# KiCad board hackpad_final.kicad_pcb
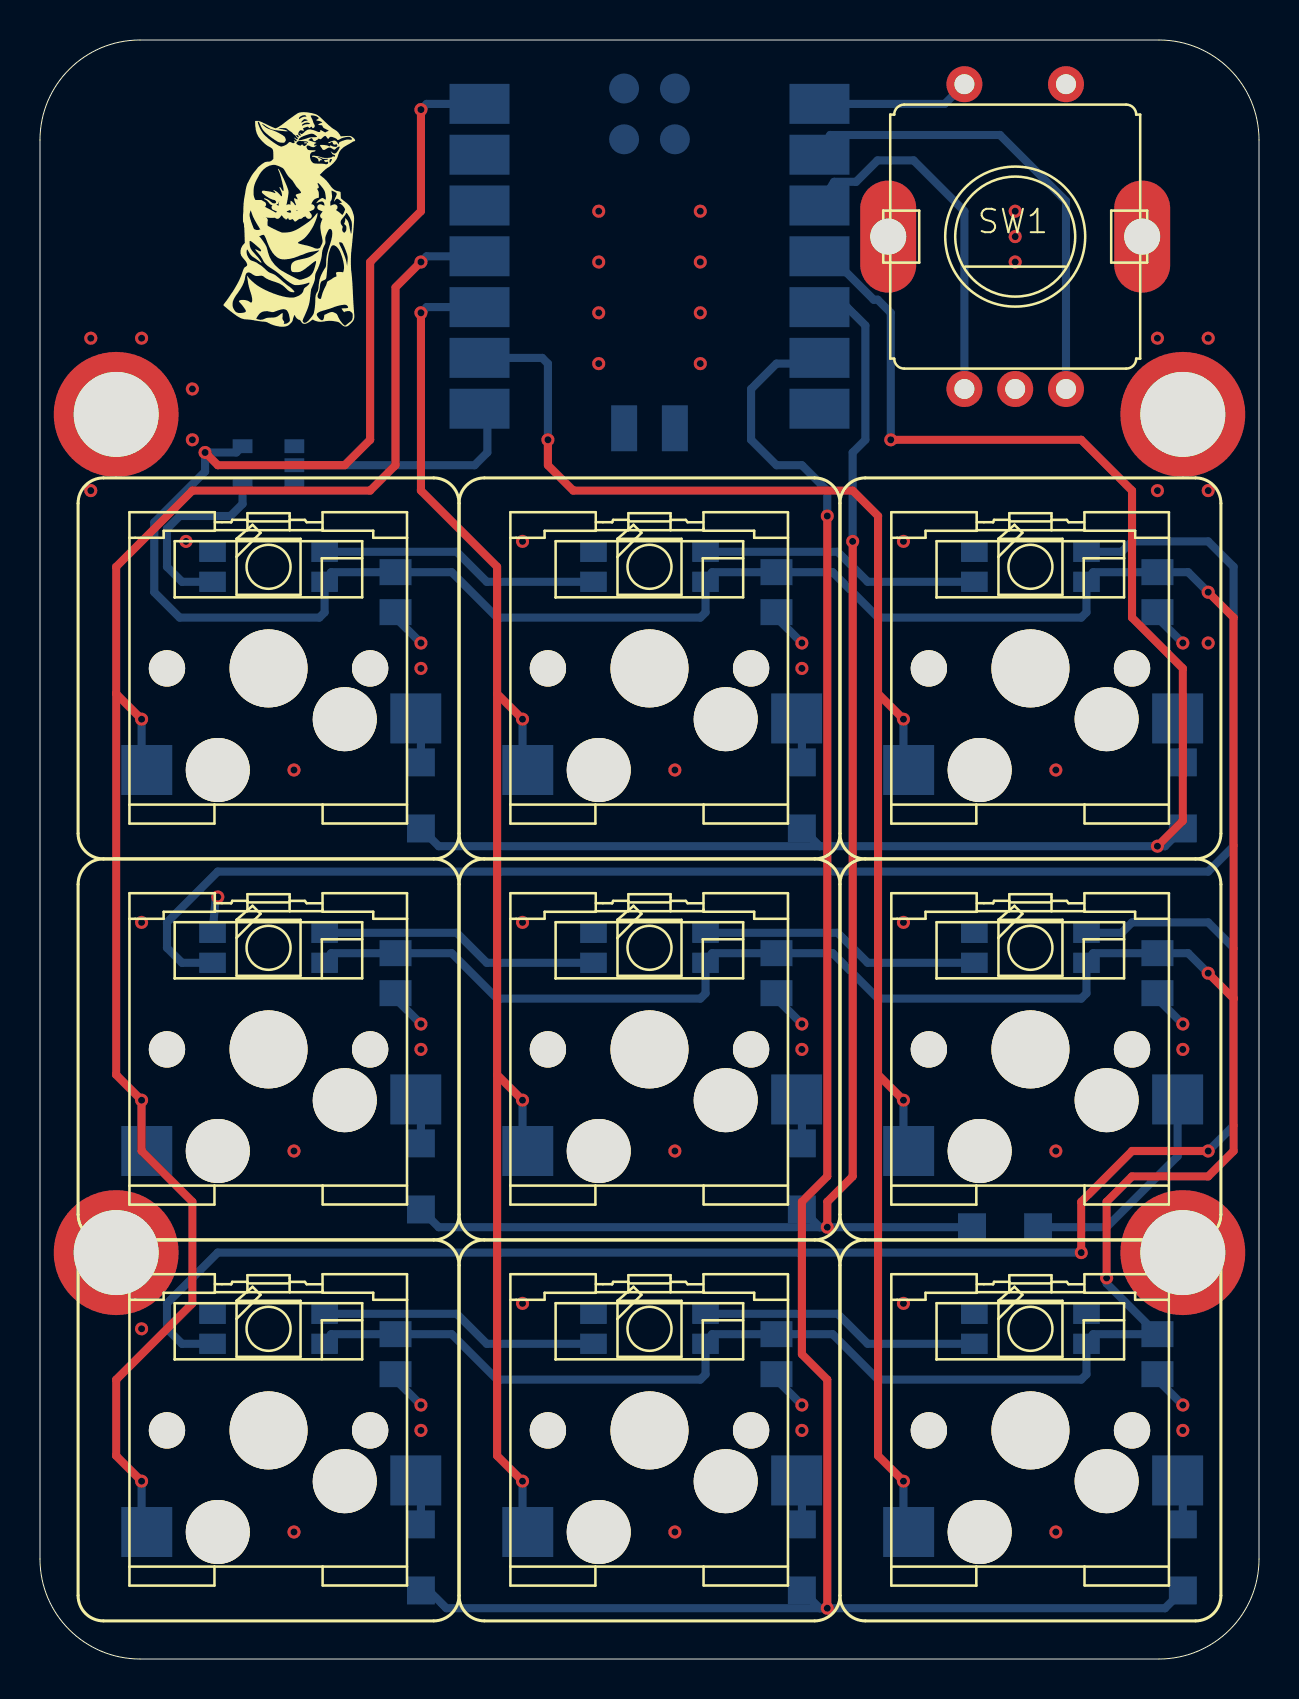
[diagram p0: board, top side]
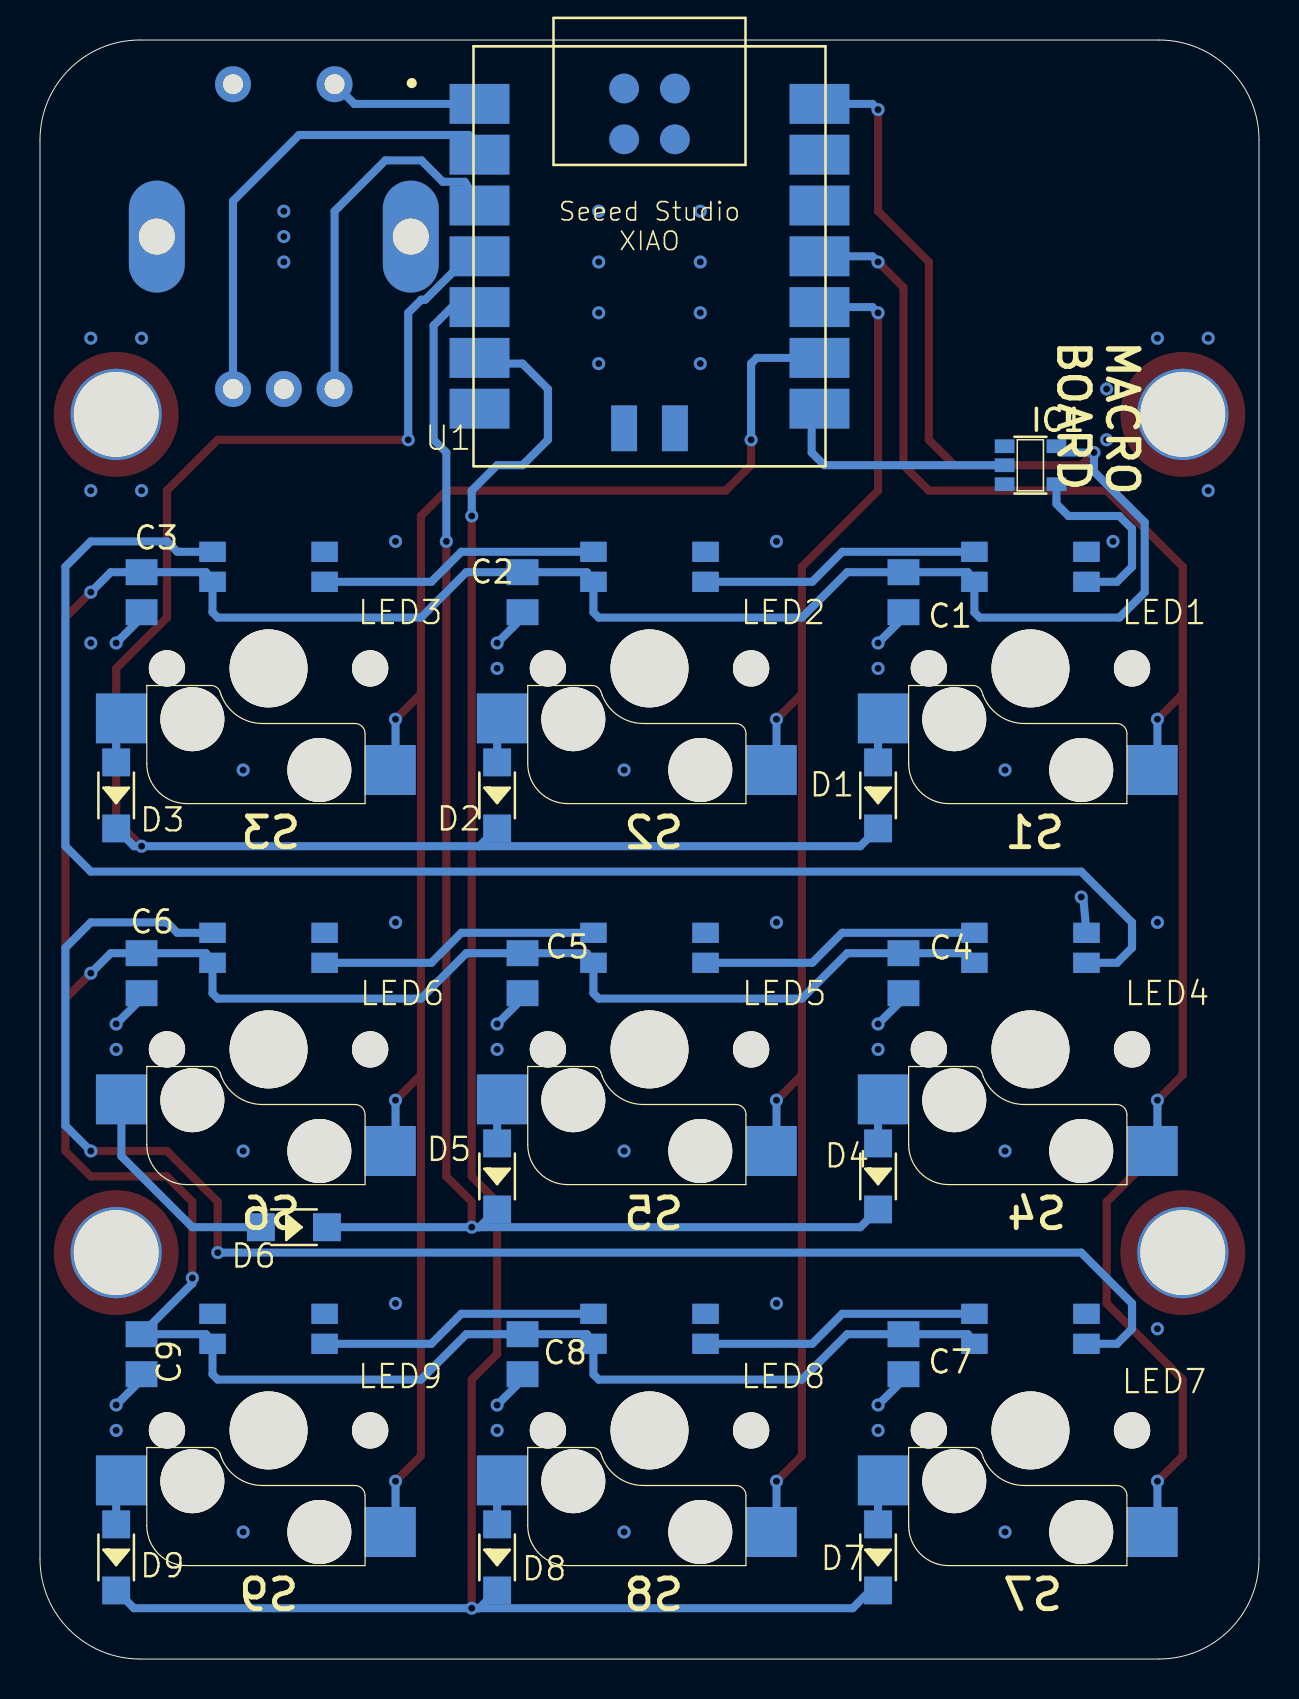
[diagram p1: board, bottom side, seen from below]

Outline 60.96 x 80.95 mm; copper layers: Top, Bottom. Coordinates in mm from the lower left corner of the outline.
Outline path: 0,75.95 0,5 arc(1.46,1.46) 5,0 55.96,0 arc(59.5,1.46) 60.96,5 60.96,75.95 arc(59.5,79.49) 55.96,80.95 5,80.95 arc(1.46,79.49) 0,75.95

## Placement (name value [footprint] x y rotation side)
C1  0.1uF  [C0805K_334]  17.78 53.34 270 bottom
C2  0.1uF  [C0805K_334]  36.83 53.34 270 bottom
C3  0.1uF  [C0805K_334]  55.88 53.34 270 bottom
C4  0.1uF  [C0805K_334]  17.78 34.29 270 bottom
C5  0.1uF  [C0805K_334]  36.83 34.29 270 bottom
C6  0.1uF  [C0805K_334]  55.88 34.29 270 bottom
C7  0.1uF  [C0805K_334]  17.78 15.24 270 bottom
C8  0.1uF  [C0805K_334]  36.83 15.24 270 bottom
C9  0.1uF  [C0805K_334]  55.88 15.24 270 bottom
D1  1N4148W  [SOD-123_8004488]  19.05 43.18 270 bottom
D2  1N4148W  [SOD-123_8004488]  38.1 43.18 270 bottom
D3  1N4148W  [SOD-123_8004488]  57.15 43.18 270 bottom
D4  1N4148W  [SOD-123_8004488]  19.05 24.13 270 bottom
D5  1N4148W  [SOD-123_8004488]  38.1 24.13 270 bottom
D6  1N4148W  [SOD-123_8004488]  48.26 21.59 180 bottom
D7  1N4148W  [SOD-123_8004488]  19.05 5.08 270 bottom
D8  1N4148W  [SOD-123_8004488]  38.1 5.08 270 bottom
D9  1N4148W  [SOD-123_8004488]  57.15 5.08 270 bottom
G***  LOGO  [yoda]  12.48 71.98 0 top
IC1  74AHC1G125DBV  [SOT23-5_86]  11.43 59.69 270 bottom
LED1  MICROBUILDER_WS2812B_SK6812E  [MICROBUILDER_NEO3535_REVERSE]  11.43 54.61 0 top
LED2  MICROBUILDER_WS2812B_SK6812E  [MICROBUILDER_NEO3535_REVERSE]  30.48 54.61 0 top
LED3  MICROBUILDER_WS2812B_SK6812E  [MICROBUILDER_NEO3535_REVERSE]  49.53 54.61 0 top
LED4  MICROBUILDER_WS2812B_SK6812E  [MICROBUILDER_NEO3535_REVERSE]  11.43 35.56 0 top
LED5  MICROBUILDER_WS2812B_SK6812E  [MICROBUILDER_NEO3535_REVERSE]  30.48 35.56 0 top
LED6  MICROBUILDER_WS2812B_SK6812E  [MICROBUILDER_NEO3535_REVERSE]  49.53 35.56 0 top
LED7  MICROBUILDER_WS2812B_SK6812E  [MICROBUILDER_NEO3535_REVERSE]  11.43 16.51 0 top
LED8  MICROBUILDER_WS2812B_SK6812E  [MICROBUILDER_NEO3535_REVERSE]  30.48 16.51 0 top
LED9  MICROBUILDER_WS2812B_SK6812E  [MICROBUILDER_NEO3535_REVERSE]  49.53 16.51 0 top
S1  SOCKET  [ADAFRUIT_ELECTROMECH_KAILH_SOCKET]  11.43 49.53 180 top
S2  SOCKET  [ADAFRUIT_ELECTROMECH_KAILH_SOCKET]  30.48 49.53 180 top
S3  SOCKET  [ADAFRUIT_ELECTROMECH_KAILH_SOCKET]  49.53 49.53 180 top
S4  SOCKET  [ADAFRUIT_ELECTROMECH_KAILH_SOCKET]  11.43 30.48 180 top
S5  SOCKET  [ADAFRUIT_ELECTROMECH_KAILH_SOCKET]  30.48 30.48 180 top
S6  SOCKET  [ADAFRUIT_ELECTROMECH_KAILH_SOCKET]  49.53 30.48 180 top
S7  SOCKET  [ADAFRUIT_ELECTROMECH_KAILH_SOCKET]  11.43 11.43 180 top
S8  SOCKET  [ADAFRUIT_ELECTROMECH_KAILH_SOCKET]  30.48 11.43 180 top
S9  SOCKET  [ADAFRUIT_ELECTROMECH_KAILH_SOCKET]  49.53 11.43 180 top
SW1  PEC11  [ADAFRUIT_ELECTROMECH_PEC11+SWITCH]  48.77 71.12 0 top
TP1  SEWTAP_SMTNUTM3  [SMT_NUT_3MM]  3.81 20.32 0 top
TP2  SEWTAP_SMTNUTM3  [SMT_NUT_3MM]  57.15 20.32 0 top
TP3  SEWTAP_SMTNUTM3  [SMT_NUT_3MM]  3.81 62.23 0 top
TP4  SEWTAP_SMTNUTM3  [SMT_NUT_3MM]  57.15 62.23 0 top
U1  SEEED-STUDIO-XIAO-SERIES_XIAO-RP2040  [SEEED-STUDIO-XIAO-SERIES_XIAO-SAMD21_RP2040-MODULE14P-2.54-21X17.8MM]  30.48 70.14 180 bottom

## Footprints (pads in the part's own frame, mm; a bottom-side part is the same pattern mirrored in y, then rotated)
ADAFRUIT_ELECTROMECH_KAILH_SOCKET
  round 1.813 hole 1.813 unplated: (-5.08,0) (5.08,0)
  round 3.2 hole 3.2 unplated: (-3.81,2.54) (2.54,5.08)
  round 3.9 hole 3.9 unplated: (0,0)
  rect 2.55x2.5 smd far side: 1(6.09,5.08) 2(-7.36,2.5)
ADAFRUIT_ELECTROMECH_PEC11+SWITCH
  round 1.8 hole 1: P$1(-2.54,7.62) P$2(2.54,7.62) P$A(-2.54,-7.62) P$B(2.54,-7.62) P$C(0,-7.62)
  oval 2.8x5.6 hole 1.8: P$GND1(-6.35,0) P$GND2(6.35,0)
C0805K_334
  rect 1.3x1.6 smd: 1(-1,0) 2(1,0)
MICROBUILDER_NEO3535_REVERSE
  rect 1.333x1.016 smd far side: 1-VDD(2.802,-0.75) 2-DOUT(2.802,0.75) 3-GND(-2.802,0.75) 4-DIN(-2.802,-0.75)
SEEED-STUDIO-XIAO-SERIES_XIAO-SAMD21_RP2040-MODULE14P-2.54-21X17.8MM
  rect 3x2 smd: 1(-8.5,7.62) 2(-8.5,5.08) 3(-8.5,2.54) 4(-8.5,0) 5(-8.5,-2.54) 6(-8.5,-5.08) 7(-8.5,-7.62) 8(8.5,-7.62) 9(8.5,-5.08) 10(8.5,-2.54) 11(8.5,0) 12(8.5,2.54) 13(8.5,5.08) 14(8.5,7.62)
  rrect 1.5x1.5 smd: 15(-1.27,8.39) 16(1.27,8.39) 17(-1.27,5.85) 18(1.27,5.85)
  rect 1.3x2.3 smd: 19(-1.27,-8.6) 20(1.27,-8.6)
SMT_NUT_3MM
  round 4.572 hole 4.25: P$1(0,0)
SOD-123_8004488
  rect 1.397x1.397 smd: +(-1.651,0) -(1.651,0)
SOT23-5_86
  rect 0.69x0.99 smd: 1(-0.95,-1.29) 2(0,-1.29) 3(0.95,-1.29) 4(0.95,1.3) 5(-0.95,1.3)

## Nets
+3V3: U1.12
+5V: C1.1 C2.1 C3.1 C4.1 C5.1 C6.1 C7.1 C8.1 C9.1 IC1.5 LED1.1-VDD LED2.1-VDD LED3.1-VDD LED4.1-VDD LED5.1-VDD LED6.1-VDD LED7.1-VDD LED8.1-VDD LED9.1-VDD U1.14
GND: C1.2 C2.2 C3.2 C4.2 C5.2 C6.2 C7.2 C8.2 C9.2 IC1.1 IC1.3 LED1.3-GND LED2.3-GND LED3.3-GND LED4.3-GND LED5.3-GND LED6.3-GND LED7.3-GND LED8.3-GND LED9.3-GND SW1.P$2 SW1.P$C SW1.P$GND1 SW1.P$GND2 TP1.P$1 TP2.P$1 TP3.P$1 TP4.P$1 U1.13 U1.18 U1.20
BTN: SW1.P$1 U1.1
COL1: S1.1 S4.1 S7.1 U1.11
COL2: S2.1 S5.1 S8.1 U1.10
COL3: S3.1 S6.1 S9.1 U1.9
N$1: LED8.2-DOUT LED9.4-DIN
N$2: LED7.2-DOUT LED8.4-DIN
N$3: LED5.2-DOUT LED6.4-DIN
N$4: LED6.2-DOUT LED7.4-DIN
N$5: LED4.2-DOUT LED5.4-DIN
N$6: LED3.2-DOUT LED4.4-DIN
N$7: LED1.2-DOUT LED2.4-DIN
N$8: LED2.2-DOUT LED3.4-DIN
N$9: IC1.4 LED1.4-DIN
N$13: D1.+ S1.2
N$14: D4.+ S4.2
N$15: D7.+ S7.2
N$16: D2.+ S2.2
N$17: D5.+ S5.2
N$18: D8.+ S8.2
N$19: D3.+ S3.2
N$20: D6.+ S6.2
N$21: D9.+ S9.2
NEOPIXEL: IC1.2 U1.8
ROTA: SW1.P$A U1.3
ROTB: SW1.P$B U1.2
ROW1: D1.- D2.- D3.- U1.4
ROW2: D4.- D5.- D6.- U1.5
ROW3: D7.- D8.- D9.- U1.6

Pads without a net: LED9 2-DOUT; U1 7 15 16 17 19

## Via types
v1: diameter 0.655, hole 0.35, Top to Bottom, 82 vias

## Routing (per net, layer and track width the routed paths; a pad name or vN(x,y) marks a point on that pad's centre or on a via; arc(x,y) is an arc through that point)
+5V: length 244.3
  Top w0.406: v1(58.42,53.34) 59.69,52.07 59.69,33.02 ; 59.69,33.02 59.69,25.4 58.42,24.13 54.61,24.13 53.34,22.86 v1(53.34,19.05) ; 59.69,33.02 v1(58.42,34.29) ; v1(19.05,77.47) 19.05,72.39 16.51,69.85 16.51,60.96 15.24,59.69 8.89,59.69 v1(8.25,60.33)
  Bottom w0.406: v1(58.42,53.34) 57.42,54.34 C3.1 52.66,54.34 LED3.1-VDD 52.33,52.33 52.07,52.07 41.91,52.07 39.64,54.34 C2.1 33.61,54.34 LED2.1-VDD 33.28,52.33 33.02,52.07 22.86,52.07 20.59,54.34 C1.1 14.56,54.34 LED1.1-VDD 14.23,52.33 13.97,52.07 6.98,52.07 5.71,53.34 5.71,56.83 8.25,59.37 v1(8.25,60.33) 9.81,60.33 IC1.5 ; v1(53.34,19.05) 53.34,18.78 C9.1 52.66,16.24 LED9.1-VDD 52.33,14.23 52.07,13.97 41.91,13.97 39.64,16.24 C8.1 33.61,16.24 LED8.1-VDD 33.28,14.23 33.02,13.97 22.86,13.97 20.59,16.24 C7.1 14.56,16.24 LED7.1-VDD ; LED4.1-VDD 14.56,35.29 C4.1 20.59,35.29 22.86,33.02 33.02,33.02 33.28,33.28 LED5.1-VDD 33.61,35.29 C5.1 39.64,35.29 41.91,33.02 52.07,33.02 52.33,33.28 LED6.1-VDD 52.66,35.29 C6.1 57.42,35.29 v1(58.42,34.29) ; U1.14 19.33,77.75 v1(19.05,77.47)
GND: length 20.4
  Bottom w0.406: C2.2 36.83,52.07 v1(38.1,50.8) ; v1(19.05,12.7) 17.78,13.97 C7.2 ; C6.2 55.88,33.02 v1(57.15,31.75) ; LED4.3-GND 8.78,37.99 v1(8.89,38.1) ; C4.2 17.78,33.02 v1(19.05,31.75) ; v1(57.15,50.8) 55.88,52.07 C3.2 ; v1(19.05,50.8) 17.78,52.07 C1.2 ; C9.2 55.88,13.97 v1(57.15,12.7) ; v1(38.1,12.7) 36.83,13.97 C8.2 ; v1(38.1,31.75) 36.83,33.02 C5.2
  vias: v1(2.54,66.04) v1(2.54,58.42) v1(5.08,66.04) v1(5.08,36.83) v1(5.08,16.51) v1(7.3,55.88) v1(7.62,63.5) v1(7.62,60.96) v1(12.7,44.45) v1(12.7,25.4) v1(12.7,6.35) v1(19.05,49.53) v1(19.05,30.48) v1(19.05,11.43) v1(24.13,55.88) v1(24.13,36.83) v1(24.13,17.78) v1(27.94,72.39) v1(27.94,69.85) v1(27.94,67.31) v1(27.94,64.77) v1(31.75,44.45) v1(31.75,25.4) v1(31.75,6.35) v1(33.02,72.39) v1(33.02,69.85) v1(33.02,67.31) v1(33.02,64.77) v1(38.1,49.53) v1(38.1,30.48) v1(38.1,11.43) v1(43.18,55.88) v1(43.18,36.83) v1(43.18,17.78) v1(48.77,72.39) v1(48.77,71.12) v1(48.77,69.85) v1(50.8,44.45) v1(50.8,25.4) v1(50.8,6.35) v1(55.88,66.04) v1(55.88,58.42) v1(57.15,30.48) v1(57.15,11.43) v1(58.42,66.04) v1(58.42,58.42) v1(58.42,50.8)
BTN: length 7.7
  Bottom w0.406: SW1.P$1 45.24,77.75 U1.1
COL1: length 88.9
  Top w0.406: 3.81,48.26 3.81,54.61 7.62,58.42 16.51,58.42 17.78,59.69 17.78,68.58 v1(19.05,69.85) ; 3.81,48.26 3.81,29.21 v1(5.08,27.94) 5.08,25.4 7.62,22.86 7.62,17.78 3.81,13.97 3.81,10.16 v1(5.08,8.89) ; 3.81,48.26 v1(5.08,46.99)
  Bottom w0.406: S1.1 5.08,44.71 v1(5.08,46.99) ; U1.11 19.33,70.14 v1(19.05,69.85) ; v1(5.08,27.94) 5.08,25.66 S4.1 ; S7.1 5.08,6.61 v1(5.08,8.89)
COL2: length 75.1
  Top w0.406: v1(24.13,27.94) 22.86,29.21 ; 22.86,29.21 22.86,10.16 v1(24.13,8.89) ; 22.86,29.21 22.86,48.26 ; v1(24.13,46.99) 22.86,48.26 ; 22.86,48.26 22.86,54.61 19.05,58.42 v1(19.05,67.31)
  Bottom w0.406: v1(19.05,67.31) 19.33,67.59 U1.10 ; S2.1 24.13,44.71 v1(24.13,46.99) ; S8.1 24.13,6.61 v1(24.13,8.89) ; S5.1 24.13,25.66 v1(24.13,27.94)
COL3: length 86.5
  Top w0.406: v1(25.4,60.96) 25.4,59.69 26.67,58.42 40.64,58.42 41.91,57.15 41.91,48.26 ; v1(43.18,8.89) 41.91,10.16 41.91,29.21 ; v1(43.18,27.94) 41.91,29.21 ; 41.91,29.21 41.91,48.26 ; 41.91,48.26 v1(43.18,46.99)
  Bottom w0.406: S9.1 43.18,6.61 v1(43.18,8.89) ; S3.1 43.18,44.71 v1(43.18,46.99) ; v1(25.4,60.96) 25.4,64.77 25.11,65.06 U1.9 ; v1(43.18,27.94) 43.18,25.66 S6.1
N$1: length 14.1
  Bottom w0.406: LED8.2-DOUT 39.89,17.26 41.39,15.76 LED9.4-DIN
N$2: length 14.1
  Bottom w0.406: LED8.4-DIN 22.34,15.76 20.84,17.26 LED7.2-DOUT
N$3: length 14.1
  Bottom w0.406: LED6.4-DIN 41.39,34.81 39.89,36.31 LED5.2-DOUT
N$4: length 79.4
  Top w0.406: v1(58.42,25.4) 54.61,25.4 52.07,22.86 v1(52.07,20.32)
  Bottom w0.406: LED6.2-DOUT 54.09,36.31 54.61,36.83 58.42,36.83 59.69,35.56 59.69,26.67 v1(58.42,25.4) ; LED7.4-DIN 7.1,15.76 6.35,16.51 6.35,17.78 8.89,20.32 v1(52.07,20.32)
N$5: length 14.1
  Bottom w0.406: LED5.4-DIN 22.34,34.81 20.84,36.31 LED4.2-DOUT
N$6: length 80.8
  Bottom w0.406: LED4.4-DIN 7.1,34.81 6.35,35.56 6.35,36.83 8.89,39.37 58.42,39.37 59.69,40.64 59.69,54.61 58.42,55.88 54.61,55.88 54.09,55.36 LED3.2-DOUT
N$7: length 14.1
  Bottom w0.406: LED1.2-DOUT 20.84,55.36 22.34,53.86 LED2.4-DIN
N$8: length 14.1
  Bottom w0.406: LED3.4-DIN 41.39,53.86 39.89,55.36 LED2.2-DOUT
N$9: length 9.8
  Bottom w0.406: IC1.4 10.13,57.75 9.52,57.15 6.98,57.15 6.35,56.52 6.35,54.61 7.1,53.86 LED1.4-DIN
N$13: length 2.3
  Bottom w0.406: D1.+ 19.05,46.77 S1.2
N$14: length 2.3
  Bottom w0.406: D4.+ 19.05,27.72 S4.2
N$15: length 2.3
  Bottom w0.406: D7.+ 19.05,8.67 S7.2
N$16: length 2.3
  Bottom w0.406: S2.2 38.1,46.77 D2.+
N$17: length 2.3
  Bottom w0.406: S5.2 38.1,27.72 D5.+
N$18: length 2.3
  Bottom w0.406: D8.+ 38.1,8.67 S8.2
N$19: length 2.3
  Bottom w0.406: S3.2 57.15,46.77 D3.+
N$20: length 11.3
  Bottom w0.406: S6.2 56.89,25.14 53.34,21.59 D6.+
N$21: length 2.3
  Bottom w0.406: S9.2 57.15,8.67 D9.+
NEOPIXEL: length 12.2
  Bottom w0.406: U1.8 22.37,61.67 22.37,60.33 21.73,59.69 IC1.2
ROTA: length 18.3
  Bottom w0.406: SW1.P$A 46.23,72.39 43.69,74.93 41.88,74.93 40.81,73.86 39.71,73.86 U1.3
ROTB: length 23.7
  Bottom w0.406: U1.2 39.52,76.2 48.01,76.2 51.31,72.9 SW1.P$B
ROW1: length 83.7
  Top w0.406: v1(55.88,40.64) 57.15,41.91 57.15,49.53 54.61,52.07 54.61,58.42 52.07,60.96 v1(42.55,60.96)
  Bottom w0.406: U1.4 39.52,70.14 41.69,67.96 41.89,67.96 42.55,67.31 v1(42.55,60.96) ; D2.- 38.99,40.64 ; 38.99,40.64 19.94,40.64 D1.- ; 38.99,40.64 v1(55.88,40.64) 56.26,40.64 D3.-
ROW2: length 78.1
  Top w0.406: v1(39.37,21.59) 39.37,22.86 40.64,24.13 v1(40.64,55.88)
  Bottom w0.406: v1(39.37,21.59) D6.- ; v1(39.37,21.59) 19.94,21.59 D4.- ; v1(39.37,21.59) 38.99,21.59 D5.- ; v1(40.64,55.88) 40.64,60.33 41.27,60.96 41.27,66.67 40.36,67.59 U1.5
ROW3: length 108.9
  Top w0.406: v1(39.37,57.15) 39.37,24.13 38.1,22.86 38.1,15.24 39.37,13.97 v1(39.37,2.54)
  Bottom w0.406: v1(39.37,2.54) 38.99,2.54 D8.- ; v1(39.37,2.54) 56.26,2.54 D9.- ; v1(39.37,2.54) 20.32,2.54 19.43,3.43 D7.- ; U1.6 38.7,64.77 36.83,64.77 35.56,63.5 35.56,60.96 36.83,59.69 38.1,59.69 39.37,58.42 v1(39.37,57.15)

## Copper pours and planes (outline as drawn; the poured copper is in the pictures)
GND on Top: 61.09,-0.13 -0.13,-0.13 -0.13,81.41 61.09,81.41
GND on Bottom: 61.09,-0.13 -0.13,-0.13 -0.13,81.41 61.09,81.41

## Text on the board
B.Silkscreen: MACRO / BOARD
